# Altium PCB MCU009B_PCB_ASCII.PcbDoc (part 3 of 4)
Units mil, origin at the board's own origin, x right, y up, seen from the top; angles counter-clockwise.
Board outline 2657.23 x 2215.46 mil, 10 copper layers (Top Layer, Internal-Plane 2, Mid-Layer 3, Mid-Layer 4, Internal-Plane 5, Internal-Plane 6, Mid-Layer 7, Mid-Layer 8, Internal-Plane 9, Bottom Layer), stack 60.8 mil thick; 232 components, 196 nets, 851 pads, 493 vias.
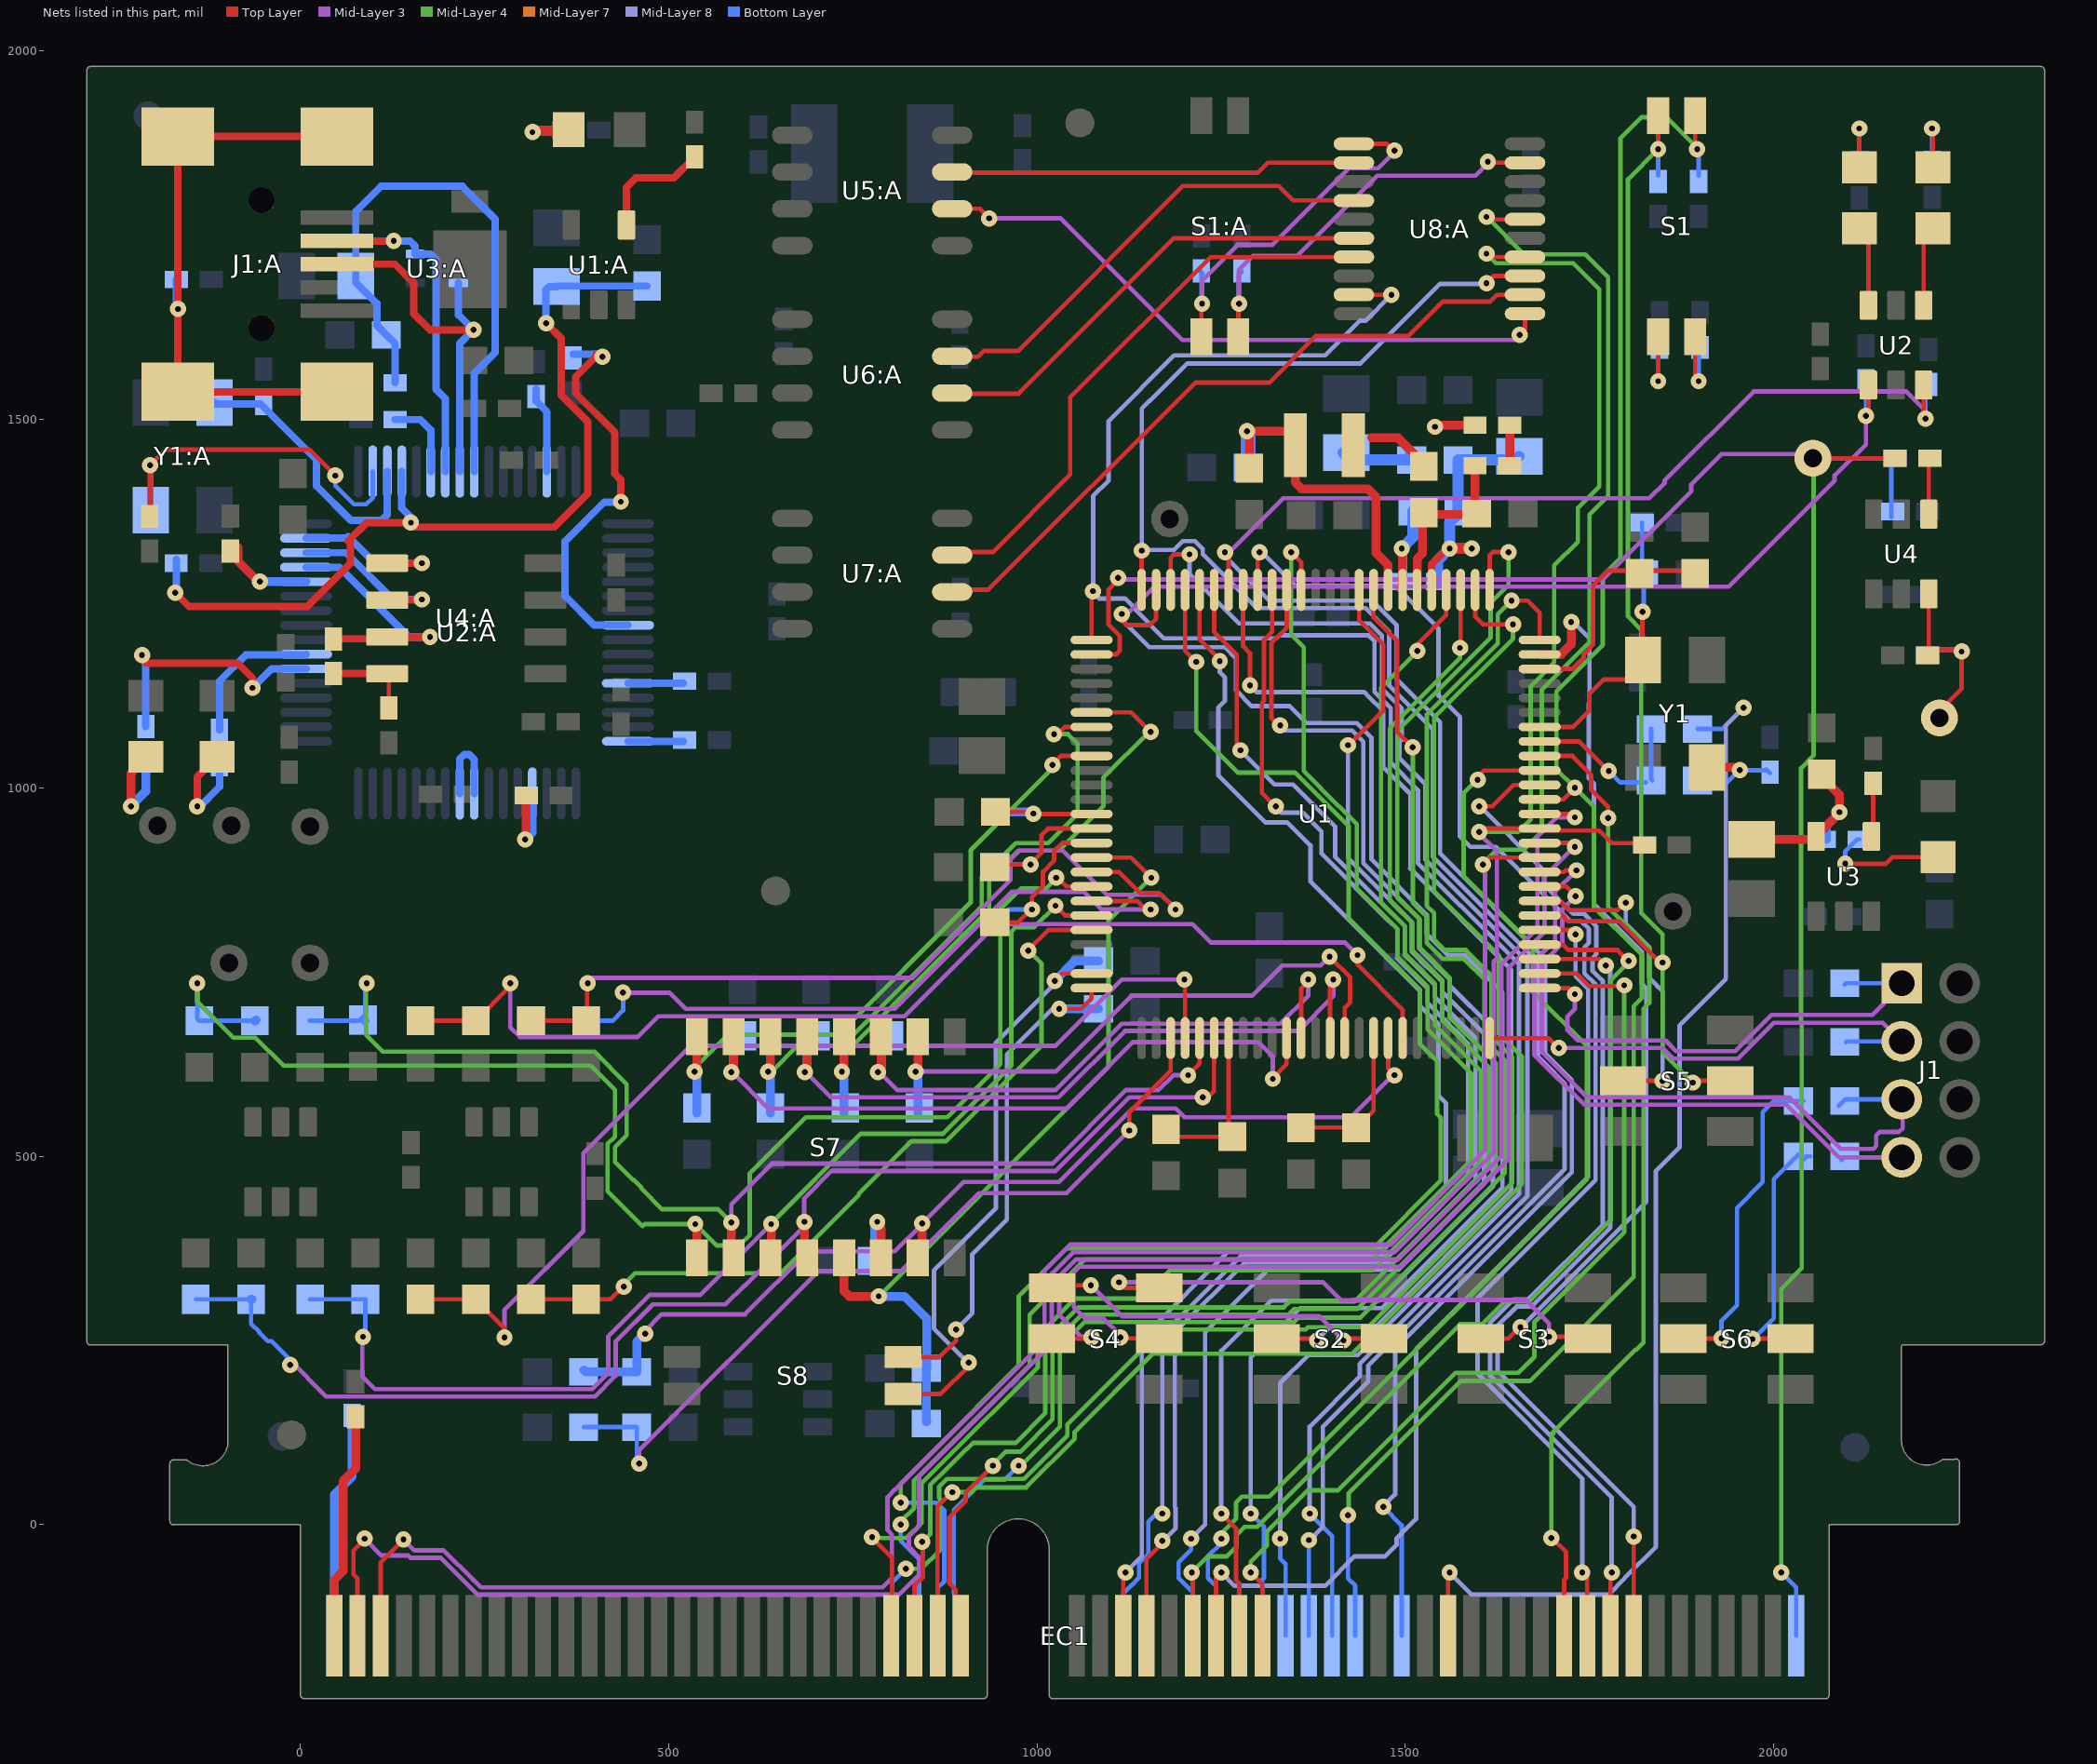
[diagram p11: the nets of this part, all layers, seen from the top]

## Via types
v1: diameter 22, hole 8, Top Layer to Bottom Layer, 414 vias
v2: diameter 22, hole 8, Top Layer to Bottom Layer, tented both sides, 79 vias

## Nets (pads, with @x,y where several pads share a name; then routed paths per layer and width w, separated by ;. In a path a pad name is that pad's centre, name@x,y a point inside that pad or via, vN(x,y) a via of type N, cw(c..) or ccw(c..) an arc to the next point about the centre after c; other vN are vias at no path point) (continued)
MCU_ADC-C0: C55.1 R60.1 U1.19 | length 1040.5
  Top Layer w6: U1.19@1073.97,846.45 1135.55,846.45 v1@1149,833
  Mid-Layer 3 w6: v1(438,722) v1@439,722 ; v1@438,723 v1@439,722 ; v1(1154,835) 1087,835 1063,859 966,859 807,700 523,700 501,722 v1@439,722
  Bottom Layer w6: R60.1@313.1,683.9 C55.1@390.9,683.9 ; C55.1@388.1,683.9 C55.1@390.89,683.9 ; v1(438,722) 438,698 423.9,683.9 C55.1@390.89,683.9
MCU_ADC-C1: C56.1 R61.1 U1.29 | length 1432.9
  Top Layer w6: C56.1@163.1,305.9 R61.1@237.9,305.9 ; R61.1@238.1,305.9 277,267 v1(277,254) v1@277,252 ; v1(1200,740) 1200.93,739.07 U1.29@1200.93,660.43
  Mid-Layer 3 w6: v1(277,254) 277,291.46 384,398.46 384,504 530,650 1025,650 1115,740 v1(1200,740)
MCU_ADC-C2: C57.1 R62.1 U1.21 | length 1073.7
  Top Layer w6: R62.1@313.1,305.9 C57.1@390.9,305.9 ; C57.1@388.1,305.9 420.9,305.9 v1@437,322 ; v1@987.5,779.5 1015.08,807.08 U1.21@1073.97,807.08
  Mid-Layer 4 w6: v1@437,324 454.27,341.27 651.73,341.27 758,447.54 758,449 829.5,520.5 876.64,520.5 1006,649.86 1006,762 v1@988,780
  other v1: 439,323 988,779
MCU_ADC-C4: C58.1 R63.1 U1.17 | length 1187.2
  Top Layer w6: R63.1@313.1,683.9 389.1,683.9 389.1,734.1 v1(390,735) ; U1.17@1073.97,885.82 1111.18,885.82 1140,857 1166,857 v1(1188,835)
  Mid-Layer 3 w6: v1@388,735 395,742 831,742 964,875 964,903 976,915 1035,915 1095,855 1169,855 1188,836 v1(1188,835)
MCU_ADC-C14: C59.1 R64.1 U1.44 | length 1585.8
  Top Layer w6: C59.1@163.1,683.9 R64.1@237.9,683.9 ; R64.1@238.1,683.9 285,730.8 v1(285,735) v1@285,740 ; v1(1435,773) 1435,760 1496.21,698.79 U1.44@1496.21,660.43
  Mid-Layer 3 w6: v1(285,735) 285,675 298,662 458,662 486,690 820,690 945,815 1211,815 1236,790 1418,790 v1(1435,773) v1@1436,772
MCU_ADC-PGA1: C41.2 R37.2 S7.1 U1.18 | length 2040.2
  Top Layer w6: v1(1026,878) 1028,878 1039.86,866.14 U1.18@1073.97,866.14
  Top Layer w12: v1(536,408) 538.1,405.9 S7.1@538.1,362.4
  Mid-Layer 4 w6: v1@-140,740 v1(-140,735) -140,710 -91,661 -61,661 -23,623 394,623 427,590 427,526.6 417,516.6 417,452.54 464.54,405 467.54,408 v1(536,408) 565,379 596,379 610,393 610,477 686,553 878,553 950,625 950,835 978.5,863.5 1012.5,863.5 1026,877 v1(1026,878)
  Bottom Layer w6: v1(-140,735) -140,686.99 C41.2@-136.9,683.9 -62.1,683.9 R37.2@-61,685
  Bottom Layer w12: R37.2@-61.9,683.9 -61.1,683.9 R37.2@-60,685
MCU_ADC-PGA1OF: C34.2 S7.16 U1.9 | length 877.1
  Top Layer w6: v1(1021,1031) 1021,1032 1032.3,1043.3 U1.9@1073.97,1043.3
  Top Layer w12: v1(535,615) 538.1,618.1 S7.16@538.1,662.4
  Mid-Layer 4 w6: v1@530,615 580,665 730,665 910,845 910,915.46 1025.54,1031 v1(1021,1031)
  Bottom Layer w12: C34.2@538.1,558.89 C34.2@538.1,565.5 v1@538.1,615
MCU_ADC-PGA2: C42.2 R39.2 S7.2 U1.30 | length 1707.2
  Top Layer w6: v1(1205,610) 1220.62,625.62 U1.30@1220.62,660.43
  Top Layer w12: v1(585,410) 585,365 S7.2@590,360
  Mid-Layer 3 w6: v1(585,410) 585,435 640,490 1020.86,490 1120.86,590 1165,590 1185,610 v1(1205,610)
  Mid-Layer 4 w6: v1@90,736 89,735 89,665 112,642 399,642 443,598 443,528.46 427,512.46 427,492 451,468 452.46,468 463,457.46 463,456 491,428 567,428 v1(585,410)
  Bottom Layer w6: R39.2@13.1,683.9 79.9,683.9 88,692 88,733 v1(90,735)
MCU_ADC-PGA2OF: C35.2 S7.15 U1.36 | length 986.9
  Top Layer w6: v1(1320,605) 1320,606 1338.73,624.73 U1.36@1338.73,660.43
  Top Layer w12: v1(585,614) 588.1,617.1 S7.15@588.1,662.4
  Mid-Layer 3 w6: v1(585,614) 586,614 635,565 1040,565 1130,655 1300,655 1320,635 v1(1320,605)
  Bottom Layer w12: v1(585,614) 588.1,617.1 C35.2@588.1,655.91
MCU_ADC-PGA3: C43.2 R40.2 S7.3 U1.20 | length 1628.3
  Top Layer w6: v1@1027.5,837.5 1038.23,826.77 U1.20@1073.97,826.77
  Top Layer w12: v1@635,408.8 635.8,408 v1(639,408) 639,369 635,365 S7.3@640,365
  Mid-Layer 3 w6: v1@84,257 84,201 101,184 395.86,184 418,206.14 418,255.86 474.14,312 543,312 v1@633,402
  Mid-Layer 4 w6: v1(639,408) 639,409 760.5,530.5 872.5,530.5 965,623 965,805 971,811 996,811 v1(1025,840)
  Bottom Layer w6: R40.2@13.1,305.9 C43.2@87.1,305.9 ; v1@88.1,260.1 C43.2@88.1,305.9
  other v1: 85,255
MCU_ADC-PGA3OF: C36.2 S7.14 U1.7 | length 886.8
  Top Layer w6: v1(1023,1073) 1028,1073 1037.67,1082.67 U1.7@1073.97,1082.67
  Top Layer w12: v1(635,615) 638.1,618.1 S7.14@638.1,662.4
  Mid-Layer 4 w6: v1@630,615 v1(635,615) 640,615 675,650 735.86,650 925,839.14 925,879.14 970.86,925 1015,925 1055,965 1055,1060 1042,1073 v1(1023,1073)
  Bottom Layer w12: v1(635,615) 638.1,611.9 C36.2@638.1,565.5 C36.2@638.1,558.89
MCU_ADC-PGA4: C44.2 R42.2 S7.4 U1.31 | length 1796.4
  Top Layer w6: v1(1225,580) 1232,580 1240,588 1240,626.39 1240.3,626.7 U1.31@1240.3,660.43
  Top Layer w12: v1(684,411) 684,371 S7.4@690,365
  Mid-Layer 3 w6: v1@-16,225 35,174 400,174 428,202 428,248.46 478.54,299 577,299 603,325 ; 602,323 v1@681,402 ; v1(684,411) 684,443 721,480 1025,480 1125,580 v1(1225,580)
  Bottom Layer w6: C44.2@-141.9,305.9 R42.2@-70.9,305.9 ; R42.2@-66.9,305.9 -66.9,272.68 -55.73,261.51 -55.73,260.73 -44,249 -39,249 -14,224 v1(-14,217)
  Bottom Layer w12: R42.2@-66.9,305.9 R42.2@-65.9,305.9
MCU_ADC-PGA4OF: C37.2 S7.13 U1.39 | length 985.9
  Top Layer w6: U1.39@1397.79,660.43 1397.79,737.21 1400.57,740 v1(1402,740)
  Top Layer w12: v1(685,614) 688.1,617.1 S7.13@688.1,662.4
  Mid-Layer 3 w6: v1(685,614) 686,614 720,580 1029.14,580 1119.14,670 1355,670 1402,717 v1(1402,740)
  Bottom Layer w12: v1(685,614) 688.1,617.1 C37.2@688.1,655.91
MCU_ADC-PGA5: C45.2 R43.2 S7.5 U1.16 | length 1131.2
  Top Layer w6: U1.16@1073.97,905.51 1127.49,905.51 v1(1155,878) v1@1156,877
  Top Layer w12: S7.5@738.1,362.4 738.1,316.9 745,310 v1(785,310)
  Mid-Layer 4 w6: v1(785,310) 1097,622 1097,820 v1(1155,878)
  Bottom Layer w12: v1(785,310) 820,310 850,280 R43.2@850,210 ; R43.2@849.6,212.4 849.59,139.59 C45.2@850,140
MCU_ADC-PGA5OF: C38.2 S7.12 U1.6 | length 865.1
  Top Layer w6: U1.6@1073.97,1102.36 1127.64,1102.36 v1(1154,1076) v1@1155,1075
  Top Layer w12: v1(735,615) 738.1,618.1 S7.12@738.1,662.4
  Mid-Layer 4 w6: v1(735,615) 735,635 935,835 935,875 975,915 1030,915 1090,975 1090,1014 1152,1076 v1(1154,1076)
  Bottom Layer w12: C38.2@738.1,558.89 v1@738.1,615
MCU_ADC-PGA6: C46.2 R45.2 U1.28 | length 1131.5
  Top Layer w6: v1(1125,535) 1125,559.54 1181.25,615.79 U1.28@1181.25,660.43
  Mid-Layer 3 w6: v1@460,85 460,101 703,344 815,344 921,450 1040,450 v1(1125,535)
  Bottom Layer w6: C46.2@384.6,132.4 419.6,132.4 ; 420.4,132.4 R45.2@456.6,132.4 456.6,86.4 v1(460,83)
MCU_ADC-PGA6OF: C39.2 S7.11 U1.37 | length 846.9
  Top Layer w6: U1.37@1358.41,660.43 1358.41,727.41 v1@1370,739
  Top Layer w12: v1(784,614) 788.1,618.1 S7.11@788.1,662.4
  Mid-Layer 3 w6: v1(784,614) 785,615 810,590 1025,590 1115,680 1330,680 1368,718 v1(1368,740)
  Bottom Layer w12: v1(784,614) 788.1,618.1 C39.2@788.1,655.91
MCU_ADC-PGA7: C47.2 R46.2 S7.7 U1.43 | length 1402.7
  Top Layer w6: 1476.53,618.47 U1.43@1476.53,660.43
  Top Layer w12: S7.7@838.1,362.4 844,368.3 v1(844,409)
  Mid-Layer 3 w6: v1@467,262 490.5,285.5 603.5,285.5 689,371 807,371 842,406 v1@841,406 ; v1(844,409) v1@841,406 ; v1@1487,614 1426,553 1200,553 1188,565 1129.54,565 1107,542.46 1107,542 1030,465 900,465 v1@841,406
  Bottom Layer w12: C47.2@385,210 387.6,207.4 R46.2@456.6,207.4 456.6,248.4 467.21,259 v1(468,259)
  other v1: 1485,610
MCU_ADC-PGA7OF: C40.2 S7.10 U1.40 | length 856.6
  Top Layer w6: v1@1395,773 v1(1397,771) 1425,743 1425,709 1417.47,701.47 U1.40@1417.47,660.43
  Top Layer w12: v1(835,615) 838.1,618.1 S7.10@838.1,662.4
  Mid-Layer 3 w6: v1(835,615) 1025,615 1128,718 1292,718 1333,759 1385,759 v1@1394,768
  Bottom Layer w12: v1(835,615) 838.1,611.9 C40.2@838.1,558.89
MCU_GPIO-00: EC1.49 U1.79 | length 2109
  Top Layer w6: v1@775,-17 803,-45 803,-149.64 EC1.49@801.97,-150.67 ; v1@1516,1185 v1(1516,1186) 1516,1195 1555.27,1234.27 U1.79@1555.27,1268.7
  Mid-Layer 4 w6: v1@776,-16 778,-18 822.46,-18 831.73,-8.73 ; 832,-9 843,2 843,55.74 869.26,82 ; 869.28,82 1001,213.72 1001,256 1052,307 1142,307 1180,345 1455,345 1602,492 1602,616 1540,678 1540,734.28 1499,775.28 1499,812.6 1467,844.6 1467,1136 v1@1516,1185
  other v1: 776,-17
MCU_GPIO-01: EC1.51 U1.78 | length 2089
  Top Layer w6: EC1.51@833.46,-150.67 833.46,-82.54 845,-71 v1@845,-24 ; v1(1574,1190) 1574.95,1190.95 U1.78@1574.95,1268.7
  Mid-Layer 4 w6: v1@844.5,-23.5 855,-13 855,53.6 873.4,72 ; 873.43,72 903.71,102.29 ; 904,102 913,111 971,111 1011,151 1011,249.74 1056.26,295 1335,295 1343,303 1431,303 1613,485 1613,621 1550,684 1550,738.43 1509,779.43 1509,816.74 1486.74,839 1486.74,839.26 1479,847 1479,1081.14 1574,1176.14 v1(1574,1190) v1@1576,1192
  other v1: 844,-23
MCU_GPIO-02: EC1.53 U1.77 | length 2103
  Top Layer w6: EC1.53@864.96,-150.67 864.96,24.96 v1@885,45 ; U1.77@1594.64,1268.7 1594.64,1232.36 1605,1222 v1(1646,1222) v1@1648,1222
  Mid-Layer 4 w6: v1(885,44) 910,44 916.52,50.52 985.12,50.52 1051,116.4 1051,126 1157,232 1427.46,232 1658,462.54 1658,635.28 1627,666.28 1627,772 1539,860 1539,1095.46 1646,1202.46 v1(1646,1222)
MCU_GPIO-03: EC1.55 U1.76 | length 2166.3
  Top Layer w6: EC1.55@889.32,-116 889.32,-88.32 881,-80 881,10 903,32 903,43 v1(940,80) ; U1.76@1614.32,1268.7 1614.32,1315.68 1618.64,1320 v1(1640,1320)
  Mid-Layer 4 w6: v1@939,81 957,99 977,99 1021,143 1021,245.6 1060.4,285 1341,285 1348.5,292.5 1434.64,292.5 1623,480.86 1623,626 1560,689 1560,742.57 1519,783.57 1519,821.14 1489,851.14 1489,1077 1615.5,1203.5 1615.5,1250.96 1640,1275.46 v1(1640,1320) ; v1(940,80) v1@940,81
MCU_GPIO-04: EC1.50 U1.75 | length 2184.7
  Top Layer w6: v1(1644,1254) 1666,1254 1682.23,1237.77 U1.75@1682.23,1200.78
  Mid-Layer 4 w6: v1(822,-60) 843,-60 868,-35 868,35.54 867,36.54 867,51.46 877.54,62 982.46,62 1041,120.54 1041,136 1170,265 1364.54,265 1367.54,268 1449.31,268 1645,463.69 1645,634.14 1617,662.14 1617,744.6 1612.8,748.8 ; 1613,749 1582,780 1553.14,780 1539,794.14 1539,830 1529,840 1529,1099.6 1625.5,1196.1 1625.5,1235.5 v1(1644,1254)
  Bottom Layer w6: EC1.50@801.97,-150.67 803,-149.64 803,-79 v1(822,-60)
MCU_GPIO-05: EC1.52 U1.89 | length 2190.7
  Top Layer w6: v1(1345,1320) 1358.41,1306.59 U1.89@1358.41,1268.7
  Mid-Layer 4 w6: v1(815,0) 815,4.54 833,22.54 833,59.88 865.12,92 ; 865.14,92 990,216.86 990,285 1065,360 1455,360 1589,494 1589,613 1530,672 1530,730.14 1489,771.14 1489,808.46 1434,863.46 1434,950.6 1385,999.6 1385,1000 1362,1023 1362,1191 1345,1208 v1(1345,1320)
  Bottom Layer w6: v1(815,0) 815,-22 840,-47 840,-144.13 EC1.52@833.46,-150.67
MCU_GPIO-06: EC1.54 U1.97 | length 2213.7
  Top Layer w6: U1.97@1200.93,1268.7 1200.93,1186.07 v1(1216,1171)
  Mid-Layer 4 w6: v1(815,30) 815,56.02 860.98,102 975,216 975,310 1040,375 1455.86,375 1548,467.14 1548,552.46 1543,557.46 1543,629 1519.7,652.3 1519.7,726.3 1464,782 1463.54,782 1423,822.54 1423,947.46 1349.73,1020.73 1272.27,1020.73 1216,1077 v1@1216,1170 ; v1@1215,1171 v1@1216,1170 ; v1(1216,1171) v1@1216,1170
  Bottom Layer w6: v1(815,30) 863,30 874,19 874,-77 864.96,-86.04 EC1.54@864.96,-150.67
MCU_GPIO-07: EC1.56 U1.84 | length 2014.8
  Top Layer w6: U1.84@1456.84,1268.7 1456.84,1231.16 1488.5,1199.5 1488.5,1076.5 v1(1510,1055)
  Mid-Layer 4 w6: v1@976,78 1031,133 1031,241.46 1064.54,275 1349,275 1355,281 1439,281 1635,477 1635,630 1607,658 1607,740.46 1579.46,768 1551,768 1529,790 1529,825.28 1510,844.28 v1(1510,1055)
  Bottom Layer w6: EC1.56@889.32,-111 889.32,-96.32 887,-94 887,20 928,61 956,61 v1(975,80)
MCU_GPIO-08: S3.5 U1.74 | length 1209.5
  Top Layer w6: S3.5@1602.17,252.4 1639.4,252.4 v1@1656,269
  Top Layer w12: U1.74@1682.23,1181.1 1711.1,1181.1 1725,1195 v1(1725,1225)
  Mid-Layer 8 w6: v1(1656,268) 1657,268 1827,438 1827,728 1821,734 1821,777 1756,842 1756,1006 1749,1013 1749,1114.54 1750,1115.54 1750,1203 v1@1728,1225
MCU_GPIO-09: EC1.71 U1.90 | length 1854.2
  Top Layer w6: v1(1250,15) 1270,-5 1270,-75 1274.41,-79.41 EC1.71@1274.41,-150.67 ; v1@1329,1084 1318,1095 1318,1196.46 1339,1217.46 1339,1268.43 U1.90@1338.73,1268.7
  Mid-Layer 8 w6: v1(1250,15) 1250,236 1318,304 1463.86,304 1618.71,458.86 1618.71,673.29 1560,732 1560,740.57 1519,781.57 1519,822 1443,898 1443,1062.46 1427.46,1078 1336,1078 v1@1330,1084
  other v1: 1330,1085
MCU_GPIO-10: S2.2 U1.93 | length 1453.3
  Top Layer w6: U1.93@1279.67,1268.7 1279.67,1192.33 1289,1183 v1@1289,1145 ; S2.2@1325.27,252.4 1377.6,252.4 v1(1380,250)
  Mid-Layer 8 w6: v1(1289,1139) 1298,1130 1444,1130 1450,1124 ; v1(1380,250) 1379,250 1399,270 1461,270 1643.86,452.86 1643.86,753.14 1507,890 ; 1450.07,1124.07 1470,1104.14 1470,1028 1507,991 1507,890 ; 1506,891 1507,890
MCU_GPIO-11: EC1.73 U1.52 | length 1300.4
  Top Layer w6: v1(1290,-65) 1305.9,-80.9 EC1.73@1305.9,-150.67 ; U1.52@1682.23,748.03 1731.97,748.03 1749,731 1798,731 v1@1801,734
  Mid-Layer 4 w6: v1(1290,-65) 1290,-50.46 1312,-28.46 1312,-9 1367.73,46.73 1408.73,46.73 1568,206 1653.46,206 1675,227.54 1675,275 1797,397 v1(1797,732)
MCU_GPIO-12: J1.1 R3.2 U1.51 | length 688.4
  Top Layer w6: U1.51@1682.23,728.34 1721.66,728.34 v1(1730,720)
  Mid-Layer 3 w6: v1(1730,720) 1730,700 1720,690 1720,671 1734,657 1853.14,657 1867.64,642.5 1947.5,642.5 1997,692 2134,692 J1.1@2176,734
  Bottom Layer w6: R3.2@2096,733 2097.75,734.75 J1.1@2173.62,734.75
MCU_GPIO-13: J1.3 R4.2 U1.50 | length 690.4
  Top Layer w6: U1.50@1614.32,660.43 1694.57,660.43 v1(1708,647)
  Mid-Layer 3 w6: v1(1708,647) 1849,647 1863.5,632.5 1951.64,632.5 2000.14,681 2148,681 J1.3@2174,655 ; J1.3@2181.31,663.69 J1.3@2185,660
  Bottom Layer w6: R4.2@2098,655 2099.01,656.01 J1.3@2173.62,656.01 ; J1.3@2180,655 J1.3@2185,660
MCU_GPIO-14: EC1.61 U1.96 | length 1887.7
  Top Layer w6: EC1.61@1116.93,-150.67 1116.93,-66.93 1118.86,-65 v1(1120,-65) ; U1.96@1220.62,1268.7 1220.62,1201.38 v1@1249,1173
  Mid-Layer 8 w6: v1(1120,-65) 1142,-43 1142,253 1265,376 1473,376 1555,458 1555,572 1545,582 1545,678.98 1520,703.98 1520,724 1371,873 1371,922 1340,953 1310,953 1246,1017 1246,1109 1255,1118 1255,1150 1248,1157 v1(1248,1172) ; v1@1248,1174 v1@1249,1173
MCU_GPIO-15: EC1.63 U1.95 | length 1884.9
  Top Layer w6: EC1.63@1148.42,-150.67 1148.42,-46.58 1170,-25 v1(1170,-22) ; U1.95@1240.3,1268.7 1240.3,1211.7 1271,1181 1271,1056 v1(1276,1051)
  Mid-Layer 8 w6: v1@1171,-22 1188,-5 1188,22.46 1187,23.46 1187,260.86 1282.14,356 1484,356 1595,467 1595,661 1540,716 1540,732.28 1499,773.28 1499,812.6 1482.6,829 1482,829 1404.5,906.5 1404.5,947.5 1347.5,1004.5 1322.5,1004.5 v1(1276,1051)
MCU_GPIO-16: EC1.67 U1.54 | length 1358.2
  Top Layer w6: v1(1210,-65) 1211.42,-66.42 EC1.67@1211.42,-150.67 ; U1.54@1682.23,787.4 1714,787.4 1721.4,780 1788,780 v1(1803,765) ; v1@1801,763 v1@1804,760
  Mid-Layer 4 w6: v1(1210,-65) 1232,-43 1257.46,-43 1271,-29.46 1271,-13.54 1281.54,-3 1299,-3 1574,272 1604,272 1635,303 1668,303 1779,414 1779,739.46 1803,763.46 v1(1803,765)
MCU_GPIO-17: EC1.69 U1.55 | length 1352
  Top Layer w6: EC1.69@1242.91,-150.67 1242.91,-72.09 v1(1250,-65) ; U1.55@1682.23,807.08 1723.92,807.08 v1@1731,800
  Mid-Layer 8 w6: v1(1250,-65) 1268,-83 1391,-83 1431,-43 1472.46,-43 1488,-27.46 1488,-19 1514.5,7.5 1514.5,238.33 1748,471.83 1748,727.46 1731,744.46 v1(1731,801)
MCU_GPIO-18: R7.2 R16.2 U1.68 | length 240.8
  Top Layer w6: U1.68@1682.23,1062.99 1736.01,1062.99 v1(1776,1023) v1@1780,1019
  Bottom Layer w6: v1@1778,1021 1791.6,1007.4 R16.2@1826.6,1007.4 ; R7.2@1833.5,1080 1833.5,1011.5 R16.2@1835,1010
MCU_GPIO-22: L3.2 R19.1 R22.2 U1.83 | length 477.7
  Top Layer w12: v1@1286,1484 1353,1484 L3.2@1360,1477 ; R22.2@1288.1,1433.9 v1@1288.1,1481.9 ; L3.2@1350.63,1465 1350.63,1414.37 1359,1406 1449,1406 1460,1395 1460,1319 1476.53,1302.47 U1.83@1476.53,1268.7
  Bottom Layer w20: v1(1285,1484) 1285,1485 1286.5,1483.5 R19.1@1286.5,1435
MCU_GPIO-23: R18.1 R21.2 R24.2 U1.81 | length 253.2
  Top Layer w12: U1.81@1515.9,1268.7 1515.9,1307.1 ; R21.2@1515.9,1365.9 R21.2@1517,1364.79 ; 1516,1307 1515.9,1307.1 ; R21.2@1518,1373 R21.2@1520.1,1370.9 ; R24.2@1594.48,1437.4 R18.1@1594.48,1370.52 ; R18.1@1595,1370 R18.1@1594.48,1370.52 ; 1515.9,1307.1 1515.9,1310.9 1523,1318 1523,1368 R21.2@1520.1,1370.9 ; R21.2@1520.1,1370.9 1594.1,1370.9 R18.1@1594.48,1370.52
MCU_GPIO-24: R25.2 S1.2 S5.2 U1.56 | length 1649.9
  Top Layer w6: U1.56@1680,827 U1.56@1682.23,827 ; U1.56@1682.23,826.77 1713.23,826.77 1721,819 1790,819 v1@1843,766 ; S1.2@1843.1,1912.4 v1@1843.1,1869.1 ; v1(1890,600) 1892.4,602.4 S5.2@1940.93,602.4 ; v1(1843,1867) 1843.1,1866.9 v1@1843.1,1869.1 ; v1(1843,1867) 1842,1868 v1@1843,1869 ; v1(1843,1867) v1@1843,1869 ; v1@1843,1869 v1@1843.1,1869.1
  Mid-Layer 4 w6: v1(1843,1867) 1802,1826 1802,1232.54 1820,1214.54 1820,830.25 1849,801.25 v1(1849,763) 1849,641 1889,601 v1@1891,601
  Bottom Layer w6: v1(1843,1867) 1843,1868 1843.1,1868.1 R25.2@1843.1,1831.02
MCU_GPIO-25: S5.5 U1.57 | length 445.3
  Top Layer w6: U1.57@1682.23,846.45 1709.69,846.45 1722,834.14 1722,834 1788,834 v1@1798.5,844.5 ; S5.5@1795.27,602.4 1848.6,602.4 v1(1849,602)
  Mid-Layer 8 w6: v1@1801,846 v1(1799,844) 1799,816 1831,784 1831,742.14 1841.07,732.07 ; 1841,732 1849,724 v1(1849,602)
MCU_GPIO-26: J1.5 R5.2 U1.58 | length 982.8
  Top Layer w6: U1.58@1682.23,866.14 1718.41,866.14 1731,853.54 v1(1731,853)
  Mid-Layer 3 w6: v1(1731,853) 1713,835 1713,789 1685,761 1685,642 1747,580 2021.14,580 2091.14,510 2135,510 2139,514 2139,528 2144.09,533.09 2170.09,533.09 2175,538 2175,571 J1.5@2183,579